# Altium PCB spin5v1_simple.PcbDoc (part 15 of 25)
Units mm, origin at the board's own origin, x right, y up, seen from the top; angles counter-clockwise.
Board outline 220.03 x 233.43 mm, 2 copper layers (TOP, BOTTOM), stack 0.176 mm thick; 1457 components, 4724 nets, 19245 pads, 25289 vias.
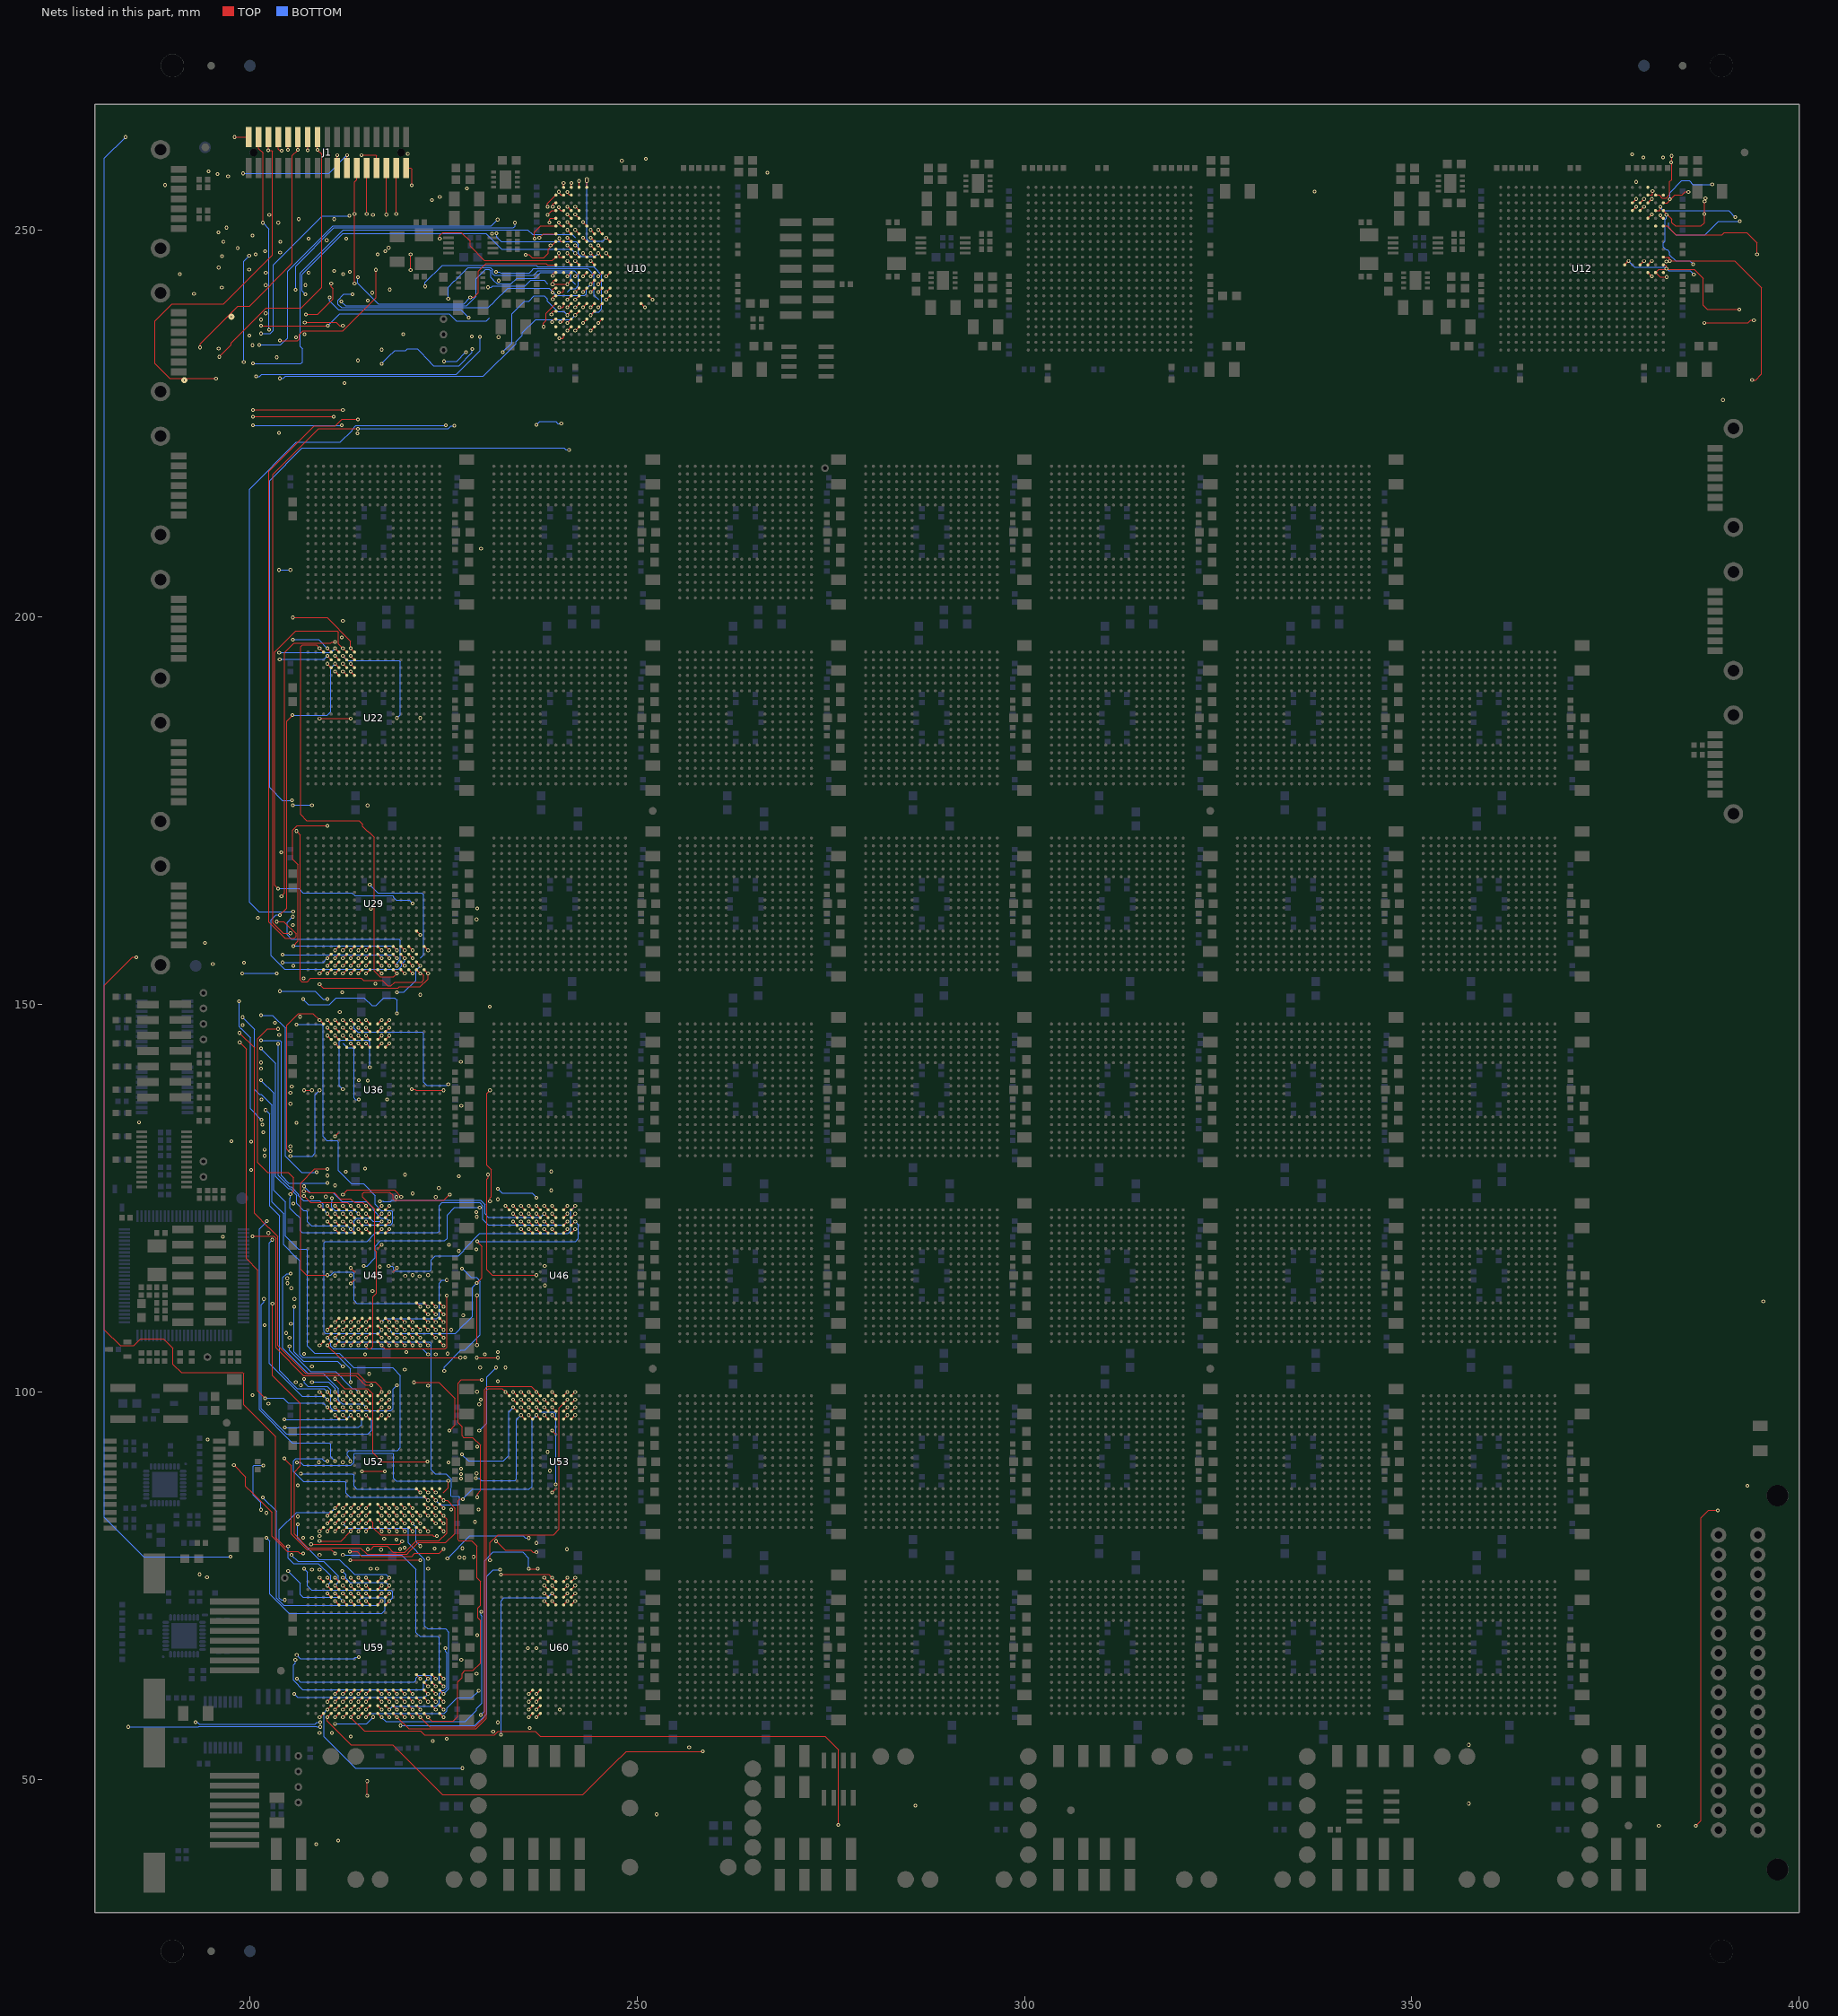
[diagram p15: the nets of this part, all layers, seen from the top]

## Via types
v1: diameter 0.48, hole 0.25, TOP to BOTTOM, 22348 vias
v2: diameter 0.61, hole 0.3, TOP to BOTTOM, 2059 vias
v3: diameter 0.8, hole 0, TOP to BOTTOM, 882 vias

## Nets (pads, with @x,y where several pads share a name; then routed paths per layer and width w, separated by ;. In a path a pad name is that pad's centre, name@x,y a point inside that pad or via, vN(x,y) a via of type N, cw(c..) or ccw(c..) an arc to the next point about the centre after c; other vN are vias at no path point) (continued)
S37_L5<8>: U12.K22 U60.R7 | length 27
  TOP w0.127: U12.K22@382.5,246.5 383.093,246.5 383.571,246.022 391.698,246.022 395.191,242.529 395.191,231.416 394.397,230.622 v1(393.961,230.622)
  other v1: 252.498,45.459 237,61 393.36,87.867 382.901,245.931 383.332,246
S37_L5<9>: U12.L17 U60.V6 | length 9.2
  BOTTOM w0.127: 378,246 378.807,245.193 382.718,245.193 383.161,244.75 385.949,244.75 v1(386.437,244.262)
  other v1: 236,58
S37_L5<10>: U12.L19 U60.U6
  other v1: 236,59 380,246
S37_L5<11>: U12.L20 U60.T6
  other v1: 285.91,46.6 357.369,46.847 357.369,54.441 236,60 381,246
S37_L5<12>: U12.L22 U60.R6
  other v1: 236.116,56.597 236,61 382.913,243.931 382.901,245 378,246
S37_L5<13>: U12.M20 U60.V7
  other v1: 237,58 381,244
S37_L5<14>: U12.M21 U60.U7 | length 15.1
  TOP w0.127: U12.M21@381.5,244.5 381.891,244.891 386.477,244.891 387.62,243.748 387.62,240.304 388.192,239.732 v1(392.301,239.732)
  other v1: 237,59
S37_L5<15>: U12.M22 U60.T7
  other v1: 256.708,54.125 237,60 390.2,228.049
S38_L0<0>: U59.R11 U60.D11
  other v1: 218,61 242,73
S38_L0<1>: U59.V10 U60.A10 | length 26.2
  BOTTOM w0.127: v1(217,58) 217.566,57.434 227.828,57.434 229.289,58.895 229.289,59.143 229.973,59.827 229.973,71.049 229.853,71.169 v1(229.853,71.6)
  other v1: 241,76
S38_L0<2>: U59.U10 U60.B10
  other v1: 217,59 240,59.001 241,75
S38_L0<3>: U59.T10 U60.C10
  other v1: 217,60 241,74
S38_L0<4>: U59.R10 U60.D10
  other v1: 217,61 241,73
S38_L0<5>: U59.V11 U60.A11
  other v1: 232,57.335 218,58 242,76
S38_L0<6>: U59.U11 U60.B11 | length 14.5
  BOTTOM w0.127: 218,59 218.431,59.431 224.05,59.431 224.431,59.812 224.431,61.05 224.812,61.431 225.05,61.431 225.431,61.812 225.431,66.309 225.24,66.5 v1(225.24,66.931)
  other v1: 235.901,66.931 242,75
S38_L0<7>: U59.T11 U60.C11
  other v1: 218,60 242,74
S38_L0<8>: U59.R9 U60.D9
  other v1: 215,61 239,73
S38_L0<9>: U59.V8 U60.A8
  other v1: 214,58 238,76
S38_L0<10>: U59.U8 U60.B8
  other v1: 214,59 238,75
S38_L0<11>: U59.T8 U60.C8
  other v1: 231.4,56.135 214,60 237,66.931 238,74
S38_L0<12>: U59.R8 U60.D8
  other v1: 214,61 238,73
S38_L0<13>: U59.V9 U60.A9 | length 22.9
  TOP w0.127: v1(232.43,76.431) 238.569,76.431 v1(239,76)
  BOTTOM w0.127: v1(215,58) 215.505,58.505 225.114,58.505 225.432,58.823 225.432,59.159 226.766,60.493 228.635,60.493 v1(229.542,61.4)
S38_L0<14>: U59.U9 U60.B9
  other v1: 215,59 239,75
S38_L0<15>: U59.T9 U60.C9 | length 24.3
  BOTTOM w0.127: v1(232.431,55.735) 232.431,73.05 232.812,73.431 238.431,73.431 v1(239,74)
  other v1: 215,60
S38_L1<0>: U53.D7 U59.V16 | length 56.2
  TOP w0.127: v1(223,58) 223.496,57.504 226.229,57.504 226.801,58.076 226.801,62.544 227.399,63.142 227.399,63.65 227.78,64.031 228.82,64.031 229.773,64.984 229.773,70.468 229.422,70.819 229.422,72.117 229.758,72.453 229.758,75.508 229.296,75.97 229.296,80.085 228.597,80.784 226.959,80.784 226.859,80.884 226.859,85.955 227.05,86.146 v1(227.482,86.146)
  BOTTOM w0.127: v1(227.482,86.146) 228.767,87.431 236.05,87.431 236.431,87.812 236.431,96.431 v1(237,97)
S38_L1<1>: U53.A6 U59.V14
  other v1: 221,58 227.055,78.638 236,100 232,101.37
S38_L1<2>: U53.B6 U59.U14
  other v1: 221,59 227.455,79.799 229.611,98.4 236,99
S38_L1<3>: U53.C6 U59.T14
  other v1: 221,60 236,98
S38_L1<4>: U53.D6 U59.R14
  other v1: 221,61 229.265,63.6 236,97
S38_L1<5>: U53.A7 U59.V15 | length 58.8
  TOP w0.127: v1(222,58) 223.216,56.784 229.089,56.784 230.296,57.991 230.296,100.304 230.677,100.685 236.315,100.685 v1(237,100)
S38_L1<6>: U53.B7 U59.U15 | length 29.1
  TOP w0.127: v1(236,77.158) v1(237.164,77.158)
  BOTTOM w0.127: v1(229.792,58.292) 230.284,58.784 230.284,78.18 231.427,79.323 235.206,79.323 236,78.529 v1(236,77.158)
  other v1: 222,59 237,99
S38_L1<7>: U53.C7 U59.T15 | length 11.9
  BOTTOM w0.127: v1(237,98) 237.569,97.431 239.233,97.431 239.487,97.177 v1(239.487,88.067)
  other v1: 222,60 239,87 239,95
S38_L1<8>: U53.D5 U59.R13 | length 13.9
  BOTTOM w0.127: v1(229.167,88.865) 229.598,88.865 229.894,88.569 234.232,88.569 234.431,88.768 234.431,96.431 v1(235,97)
  other v1: 220,61
S38_L1<9>: U53.A3 U59.V12 | length 57.8
  TOP w0.127: v1(219,58) 220.496,56.504 229.216,56.504 230.55,57.838 230.55,100.177 230.804,100.431 232.569,100.431 v1(233,100)
S38_L1<10>: U53.A4 U59.U12 | length 31.6
  BOTTOM w0.127: v1(219.431,56.935) 229.045,56.935 230.569,58.459 230.569,76.212 231.395,77.038 v1(232.285,77.038)
  other v1: 219,59 234,100
S38_L1<11>: U53.B4 U59.T12
  other v1: 219,60 229.334,68.6 234,99
S38_L1<12>: U53.C4 U59.R12 | length 13.1
  BOTTOM w0.127: v1(227.366,91.917) 228.197,91.086 232.732,91.086 233.431,91.785 233.431,97.431 v1(234,98)
  other v1: 219,61
S38_L1<13>: U53.A5 U59.V13
  other v1: 220,58 235,100
S38_L1<14>: U53.B5 U59.U13
  other v1: 220,59 228.865,78.707 235,99
S38_L1<15>: U53.C5 U59.T13
  other v1: 220,60 227.3,65.409 235,98
S38_L2<0>: U52.R5 U59.R16 | length 35.6
  BOTTOM w0.127: v1(204.511,73.147) 204.063,73.147 203.809,73.401 203.809,82.208 206.032,84.431 210.431,84.431 v1(211,85) ; v1(205.74,61) 206.172,60.568 222.568,60.568 v1(223,61)
S38_L2<1>: U52.V3 U59.N15
  other v1: 222,63 209,82 208.901,90.931
S38_L2<2>: U52.V4 U59.N16 | length 21.6
  BOTTOM w0.127: v1(205.865,65.419) 205.865,64.988 205.606,64.729 205.606,62.778 206.815,61.569 222.232,61.569 222.431,61.768 222.431,62.431 v1(223,63)
  other v1: 209,78.944 210,82
S38_L2<3>: U52.U4 U59.N17
  other v1: 224,63 210,83
S38_L2<4>: U52.T4 U59.N18
  other v1: 213,55.53 225,63 210,84
S38_L2<5>: U52.V5 U59.P16
  other v1: 223,62 211,82
S38_L2<6>: U52.U5 U59.P17 | length 19.6
  BOTTOM w0.127: v1(206.075,63) 206.506,62.569 221.232,62.569 221.431,62.768 221.431,63.05 221.812,63.431 223.232,63.431 223.431,63.232 223.431,62.569 v1(224,62)
  other v1: 211,83
S38_L2<7>: U52.T5 U59.P18 | length 28.1
  BOTTOM w0.127: v1(212,78.944) 219.589,78.944 221.431,77.102 221.431,68.939 221.939,68.431 224.232,68.431 224.431,68.232 224.431,62.569 v1(225,62)
  other v1: 211,84
S38_L2<8>: U52.R7 U59.V18 | length 5.3
  BOTTOM w0.127: v1(210.999,57.152) 215.046,57.152 v1(215.931,58.037)
  other v1: 225,58 213,85
S38_L2<9>: U52.V6 U59.R17
  other v1: 224,61 212,82
S38_L2<10>: U52.U6 U59.R18 | length 33.8
  BOTTOM w0.127: v1(212,83) 212.569,82.431 220.232,82.431 220.431,82.232 220.431,80.521 222.569,78.383 222.569,69.812 222.95,69.431 225.24,69.431 225.685,68.986 225.685,61.685 v1(225,61)
  other v1: 218,59
S38_L2<11>: U52.T6 U59.T16 | length 9
  TOP w0.127: v1(212.956,78.274) v1(222,78.274)
  other v1: 223,60 212,84
S38_L2<12>: U52.R6 U59.T17
  other v1: 223.6,54.93 224,60 209,77.062 212,85
S38_L2<13>: U52.V7 U59.T18 | length 4.5
  TOP w0.127: v1(209,80.754) 211.754,80.754 v1(213,82)
  other v1: 225.4,55.203 225,60
S38_L2<14>: U52.U7 U59.U17
  other v1: 210.599,55.985 224,59 213,83
S38_L2<15>: U52.T7 U59.U18
  other v1: 225,59 213,84
S38_L3<0>: U10.F2 U59.D11 | length 15.1
  BOTTOM w0.127: v1(207,77.158) 207.431,76.727 207.431,74.939 207.939,74.431 218.178,74.431 218.432,74.177 218.432,73.432 v1(218,73)
  other v1: 194.18,157.94 195.929,249.689 239.901,250.966
S38_L3<1>: U10.F3 U59.A10
  other v1: 217,76 193.5,76.442 194.542,93.846 241,251 197.187,256.909
S38_L3<2>: U10.F5 U59.B10 | length 2
  TOP w0.127: v1(220.75,244.822) v1(220.75,246.867)
  other v1: 217,75 243,251
S38_L3<3>: U10.G1 U59.C10
  other v1: 217,74 212,90.931 205.119,106.997 201.937,247.267 237.362,249
S38_L3<4>: U10.G3 U59.D10 | length 70.4
  BOTTOM w0.127: v1(201.205,235.17) 203.982,235.17 204.871,236.059 204.871,244.697 210.713,250.539 231.179,250.539 v1(231.975,251.335) ; v1(201.662,86.373) 203.428,84.607 203.428,73.387 204.381,72.434 216.434,72.434 v1(217,73)
  other v1: 241,250
S38_L3<5>: U10.G4 U59.A11 | length 15.7
  BOTTOM w0.127: v1(206.167,82.918) 206.167,81.145 208.961,78.351 211.538,78.351 212.342,77.547 212.381,77.547 213.497,76.431 217.569,76.431 v1(218,76)
  other v1: 242,250 194.667,257.554
S38_L3<6>: U10.G6 U59.B11 | length 31.9
  BOTTOM w0.127: v1(184.28,56.752) 193.362,56.752 193.406,56.796 208.593,56.796 208.637,56.752 v1(209.068,56.752) ; v1(211.931,76.862) 212.431,76.362 212.431,75.939 212.939,75.431 217.569,75.431 v1(218,75)
  other v1: 244,250 189.043,255.8 195.813,257.228 248.021,258.927
S38_L3<7>: U10.G7 U59.C11
  other v1: 209,55.985 218,74 209,81.393 199.043,147.361 199.223,155.422 245,250 206.312,251.386
S38_L3<8>: U10.H1 U59.D9 | length 34
  BOTTOM w0.127: v1(205.912,242.282) 205.912,245.332 210.865,250.285 234.028,250.285 234.227,250.484 v1(234.227,250.935)
  other v1: 215,73 208,77.062 235.619,246.8 238.825,248
S38_L3<9>: U10.H2 U59.A8
  other v1: 214,76 200.145,128.64 200.324,235.115 239.931,248.901 200.324,249.289
S38_L3<10>: U10.H3 U59.B8
  other v1: 214,75 201.896,131.278 195.202,155.222 196.392,246.6 241,249 231.242,249.517
S38_L3<11>: U10.H4 U59.C8 | length 56.4
  BOTTOM w0.127: v1(200.404,232.762) 200.835,232.762 200.875,232.722 206.579,232.722 206.778,232.921 206.778,234.641 206.479,234.94 206.479,244.443 212.067,250.031 235.881,250.031 236.48,249.432 241.568,249.432 242,249
  other v1: 214,74
S38_L3<12>: U10.H5 U59.D8 | length 28.6
  BOTTOM w0.127: v1(202.142,81.154) 202.573,80.723 202.573,79.456 202.566,79.449 202.566,73.888 205.043,71.411 206.24,71.411 206.26,71.431 217.05,71.431 217.431,71.812 217.431,73.232 217.232,73.431 214.431,73.431 v1(214,73)
  other v1: 190.94,244.282 243,249
S38_L3<13>: U10.H6 U59.A9 | length 82.7
  BOTTOM w0.127: v1(199.204,232.943) 199.204,245.968 v1(199.903,246.667) ; v1(201.434,140.219) 203.089,138.564 203.089,126.012 204.598,124.503 204.598,120.082 206.249,118.431 207.232,118.431 207.431,118.232 207.431,105.926 208.384,104.973 211.539,104.973 213.254,103.258 213.254,103.247 213.381,103.12 218.415,103.12 219.431,102.104 219.431,92.812 219.05,92.431 212.822,92.431 212.568,92.177 212.568,91.784 212.886,91.466 212.95,91.466 v1(212.95,91.035)
  other v1: 215,76 244,249
S38_L3<14>: U10.H8 U59.B9 | length 10.5
  BOTTOM w0.127: v1(243.505,256.562) 243.505,248.823 243.759,248.569 245.569,248.569 246,249
  other v1: 215,75
S38_L3<15>: U10.J1 U59.C9 | length 11.9
  TOP w0.127: v1(207.9,80.323) 219.276,80.323 v1(219.653,80.7)
  other v1: 215,74 205.919,101.262 203.902,247.067 217.903,247.685
S38_L4<0>: J1.19 U10.A2 U59.D7 | length 35.1
  TOP w0.127: v1(196.032,233.623) 197.607,235.198 197.607,235.405 202.116,239.914 206.624,239.914 209.291,242.581 209.291,259.771 v1(208.73,260.332)
  other v1: 213,73 206.875,81.154
S38_L4<1>: J1.21 U10.A3 U59.A6 | length 38.2
  BOTTOM w0.127: v1(202.206,122.033) 201.225,121.052 201.225,97.686 205.48,93.431 210.232,93.431 210.431,93.232 210.431,91.638 v1(211,91.069)
  other v1: 212,76 202.04,239.229 207.46,260.274
S38_L4<2>: J1.23 U10.A4 U59.B6 | length 48.4
  TOP w0.127: v1(193.57,234.836) 193.57,235.278 198.46,240.168 199.956,240.168 205.481,245.693 205.481,259.623 v1(206.19,260.332) ; v1(204.428,91.397) 205.362,90.463 205.362,81.661 207.394,79.629 210.515,79.629 v1(211,79.144)
  other v1: 212,75 201.896,130.471 242.5,256.317
  other v3: 197.59,238.788
S38_L4<3>: J1.25 U10.A5 U59.C6
  other v1: 212,74 196.507,120.04 246,249 243.5,256.317 204.92,260.332
S38_L4<4>: J1.27 U10.B1 U59.D6 | length 11.6
  TOP w0.127: J1.27@203.65,262 203.65,260.452 203.89,260.212 v1(204.08,260.212)
  BOTTOM w0.127: v1(204.931,76.867) 206.508,75.29 206.508,73.823 206.826,73.505 211.495,73.505 v1(212,73)
  other v1: 194.459,76.067 238.434,252.998
S38_L4<5>: J1.29 U10.B2 U59.A7 | length 46.9
  TOP w0.127: v1(195.617,230.825) 189.66,230.825 187.755,232.73 187.755,238.263 189.914,240.422 196.591,240.422 202.941,246.772 202.941,260.147 202.814,260.274 v1(202.38,260.274)
  other v1: 213,76 239.901,254.931
  other v3: 191.517,230.608
S38_L4<6>: J1.31 U10.B3 U59.B7 | length 14.1
  BOTTOM w0.127: v1(201.671,250.935) 202.471,250.135 v1(202.471,237.119)
  other v1: 213,75 202.384,98.465 202.384,120.517 241,254.901
S38_L4<7>: J1.33 U10.C1 U59.C7 | length 197.7
  BOTTOM w0.127: v1(183.948,262) 181.202,259.254 181.202,83.812 186.282,78.732 v1(197.489,78.732)
  other v1: 213,74 239.099,252.998 240.5,256.067 241.5,256.067 198.015,262
S38_L4<8>: J1.16 U10.D1 U59.D5
  other v1: 211,73 206.167,83.913 206.167,87.931 238.434,251.935 238.434,251.931 211.27,259.667
S38_L4<9>: J1.14 U10.D2 U59.A3 | length 14.4
  BOTTOM w0.127: v1(199.103,257.309) 210.182,257.309 v1(212.54,259.667)
  other v1: 209,76 205.229,131.685 205.229,137.188 239.901,252.931 228,255.365
S38_L4<10>: J1.12 U10.D3 U59.A4 | length 9
  TOP w0.127: v1(213.504,243.1) v1(213.504,252.067)
  other v1: 210,76 201.434,141.72 241,253 224.514,254.265
S38_L4<11>: J1.10 U10.D4 U59.B4 | length 106.7
  TOP w0.127: v1(185.33,156.102) 184.843,156.102 181.223,152.482 181.223,108.023 183.255,105.991 183.286,105.991 183.318,105.959 184.996,105.959 185.905,106.868 188.852,106.868 190.059,105.661 190.059,103.576 191.139,102.496 199.061,102.496 199.188,102.369 199.188,98.361 200.014,97.535 200.033,97.535 203.335,94.233 203.335,81.203 204.478,80.06 v1(204.931,80.06)
  BOTTOM w0.127: v1(204.931,80.06) 204.931,78.542 205.63,77.843 208.844,77.843 210.432,76.255 210.432,75.432 v1(210,75)
  other v1: 215.08,252.067 242,253 223.497,253.865
S38_L4<12>: J1.8 U10.E1 U59.C4 | length 19.8
  TOP w0.127: v1(197.926,90.557) 199.453,89.03 199.453,87.812 200.279,86.986 200.287,86.986 202.827,84.446 202.827,81.344 204.796,79.375 206.213,79.375 206.444,79.144 v1(206.875,79.144) ; v1(214.41,259.667) 216.25,259.667 216.35,259.567 J1.8@216.35,258
  other v1: 210,74 238.689,250.966
S38_L4<13>: J1.6 U10.E3 U59.A5
  other v1: 211,76 200.317,99.6 196.991,250.289 217.62,251.968 241,252
S38_L4<14>: J1.4 U10.E4 U59.B5 | length 8.6
  BOTTOM w0.127: v1(205.362,78.944) 206.209,78.097 209.527,78.097 211.432,76.192 211.432,75.432 v1(211,75)
  other v1: 185.7,134.811 242,252 218.89,252.07
S38_L4<15>: J1.2 U10.F1 U59.C5
  other v1: 211,74 208,81.154 212.022,244.3 236.755,248.866 220.897,255.777
S38_L5<0>: U12.A20 U59.R5
  other v1: 211,61
S38_L5<1>: U12.B20 U59.V3 | length 6.5
  TOP w0.127: v1(387.8,238.008) 393.428,238.008 393.76,238.34 v1(394.191,238.34)
  other v1: 209,58 381.099,254.998
S38_L5<2>: U12.B21 U59.V4 | length 55.2
  TOP w0.127: v1(210,58) 210,57.513 213.048,54.465 218.411,54.465 221.015,51.861 221.015,51.857 224.889,47.983 242.999,47.983 247,51.984 247,52.001 248.588,53.589 v1(258.462,53.589)
  other v1: 383.493,258.737 383.566,259.567
S38_L5<3>: U12.B22 U59.U4 | length 23.2
  BOTTOM w0.127: v1(210,59) 209.568,58.568 209.568,55.495 213.632,51.431 v1(227.442,51.431)
S38_L5<4>: U12.C18 U59.T4 | length 23.4
  BOTTOM w0.127: v1(193,57.359) 193.25,57.359 193.495,57.114 208.392,57.114 208.637,57.359 v1(209.068,57.359) ; v1(383.335,253.965) 383.335,254.834 384.859,256.358 385.824,256.358 386.313,255.869 v1(388.8,255.869)
  other v1: 210,60 379,254
S38_L5<5>: U12.C19 U59.V5
  other v1: 211,58 204.829,114.662 380,254 337.486,254.965 266.8,257.372 220.392,259.83
S38_L5<6>: U12.C20 U59.U5
  other v1: 211.4,42.09 211,59 381,254
S38_L5<7>: U12.C22 U59.T5
  other v1: 208.55,41.606 211,60 385.737,254.901
S38_L5<8>: U12.D18 U59.R7 | length 15.6
  BOTTOM w0.127: v1(201.43,84.782) 201.43,85.688 200.449,86.669 200.449,90.396 200.549,90.496 v1(201.737,90.496) ; v1(206.039,66.03) 206.5,65.569 213.463,65.569 213.636,65.742 v1(214.067,65.742)
  other v1: 213,61 379,253
S38_L5<9>: U12.D19 U59.V6
  other v1: 212,58 380,253 379,256.197 378.465,259.774
S38_L5<10>: U12.D21 U59.U6 | length 10.2
  BOTTOM w0.127: v1@382.067,252.901 382.472,252.496 390.935,252.496 v1(391.779,251.652)
  other v1: 212,59 382.099,253
S38_L5<11>: U12.D22 U59.T6 | length 51.9
  TOP w0.127: v1(386.687,43.974) 387.372,44.659 387.372,83.761 388.325,84.714 v1(389.532,84.714)
  BOTTOM w0.127: v1(382.906,251.936) 382.906,251.505 382.736,251.335 382.736,248.564 382.47,248.298 382.47,247.812 382.851,247.431 383.014,247.431 383.332,247.113 383.332,246.784 384.094,246.022 385.899,246.022 v1(386.345,245.576)
  other v1: 212,60 387.801,252.052 387.829,253.673 387.942,254.1
S38_L5<12>: U12.E20 U59.R6
  other v1: 212,61 202.137,84.382 202.51,251.935 381,252 379.933,259.344 382.465,259.344
S38_L5<13>: U12.E22 U59.V7 | length 74.8
  TOP w0.127: v1(213,58) 214.785,56.215 222.03,56.215 222.541,55.704 231.6,55.704 232.062,56.166 236.857,56.166 237.504,55.519 274.262,55.519 275.977,53.804 v1(275.977,44.107)
  other v1: 381.913,44 382.099,251.901
S38_L5<14>: U12.F21 U59.U7 | length 11
  BOTTOM w0.127: 383.167,250.935 383.167,250.322 384.12,249.369 387.862,249.369 389.618,251.125 v1(392.385,251.125)
  other v1: 213,59
S38_L5<15>: U12.F22 U59.T7 | length 16.6
  TOP w0.127: v1(215.14,47.857) v1(215.14,49.75) ; U12.F22@382.5,250.5 383.002,250.5 383.399,250.103 383.399,250.068 384.098,249.369 390.075,249.369 390.388,249.682 393.257,249.682 394.591,248.348 v1(394.591,246.854)
  other v1: 213,60 395.416,111.665
S39_L0<0>: U52.R11 U53.D11
  other v1: 218,85 238.455,92.258 242,97
S39_L0<1>: U52.V10 U53.A10
  other v1: 227.662,78.582 217,82 229.811,99.007 241,100
S39_L0<2>: U52.U10 U53.B10 | length 28.4
  TOP w0.127: v1(231,78.255) 231,80.553 232.016,81.569 239.219,81.569 239.918,82.268 239.918,97.918 U53.B10@240.5,98.5
  other v1: 216.928,79.638 217,83 241,99
S39_L0<3>: U52.T10 U53.C10
  other v1: 217,84 241,98
S39_L0<4>: U52.R10 U53.D10
  other v1: 217,85 241,97
S39_L0<5>: U52.V11 U53.A11
  other v1: 218,82 242,100
S39_L0<6>: U52.U11 U53.B11
  other v1: 218,83 229.519,84.808 242,99
S39_L0<7>: U52.T11 U53.C11
  other v1: 218,84 242,98
S39_L0<8>: U52.R9 U53.D9
  other v1: 216.401,77.158 240.917,79.692 215,85 239,97
S39_L0<9>: U52.V8 U53.A8
  other v1: 214,82
S39_L0<10>: U52.U8 U53.B8 | length 2.9
  TOP w0.127: v1(214.466,89.742) v1(217.4,89.742)
  other v1: 214,83 229.254,89.472 238,99
S39_L0<11>: U52.T8 U53.C8
  other v1: 214,84 238,98
S39_L0<12>: U52.R8 U53.D8 | length 5.8
  TOP w0.127: v1(231.8,80.739) 232.962,79.577 236.284,79.577 236.569,79.292 v1(237,79.292)
  other v1: 219.368,79.726 214,85 238,97
S39_L0<13>: U52.V9 U53.A9
  other v1: 219.975,79.9 237,80.499 215,82 239,100
S39_L0<14>: U52.U9 U53.B9 | length 9.9
  TOP w0.127: U52.U9@215.5,83.5 215.891,83.109 215.891,82.483 216.844,81.53 223.568,81.53 223.708,81.39 v1(224.139,81.39)
  other v1: 215,83 238.737,89.828 225.658,90.883 239,99
S39_L0<15>: U52.T9 U53.C9
  other v1: 215,84 239,98
S39_L1<0>: U46.D7 U52.V16 | length 16.8
  BOTTOM w0.127: v1(225.094,102.721) 225.094,103.214 227.253,105.373 227.779,105.373 229.748,107.342 229.748,114.246 229.24,114.754 228.548,114.754 v1(227.385,115.917)
  other v1: 223,82 223,100.807 237,121
S39_L1<1>: U46.A6 U52.V14
  other v1: 221,82 236,124
S39_L1<2>: U46.B6 U52.U14 | length 3.3
  BOTTOM w0.127: v1(221,83) 221.431,82.569 221.431,80.668 v1(222,80.099)
  other v1: 236,123
S39_L1<3>: U46.C6 U52.T14 | length 11.8
  BOTTOM w0.127: v1(225.495,78.5) 228.405,81.41 235.297,81.41 235.569,81.138 v1(236,81.138)
  other v1: 221,84 236,122
S39_L1<4>: U46.D6 U52.R14
  other v1: 221,85 227.252,89.4 229.213,118.4 236,121
S39_L1<5>: U46.A7 U52.V15 | length 25.5
  TOP w0.127: v1(229.351,86.4) 229.351,86.831 229.773,87.253 229.773,93.104 228.757,94.12 227.598,94.12 227.399,94.319 227.399,95.492 226.859,96.032 226.859,101.125 227.304,101.57 v1(229.924,101.57)
  BOTTOM w0.127: v1(232,126.222) 232.575,125.647 236.432,125.647 v1(237,125.079)
  other v1: 222,82 237,124
S39_L1<6>: U46.B7 U52.U15
  other v1: 222,83 227.252,88.793 229.327,100.007 237,123 229.235,123.207
S39_L1<7>: U46.C7 U52.T15
  other v1: 222,84 237,122
S39_L1<8>: U46.D5 U52.R13
  other v1: 220,85 235,121
S39_L1<9>: U46.A3 U52.V12
  other v1: 219,82 230.342,104.843 233,124
S39_L1<10>: U46.A4 U52.U12
  other v1: 219,83 229.727,103.139 233,103.139 234,124
S39_L1<11>: U46.B4 U52.T12 | length 9
  BOTTOM w0.127: v1(229.611,95) 230.569,95.958 230.569,101.908 v1(231.8,103.139)

## Text inside footprints (layer, text, board x,y; h text height)
U11: PIN_NUMBER "B14" at 312.54,254.75 h0.8; PIN_NUMBER "A14" at 312.54,255.75 h0.8; PIN_NUMBER "D13" at 311.54,252.75 h0.8; PIN_NUMBER "C13" at 311.54,253.75 h0.8; PIN_NUMBER "C3" at 301.86,253.75 h0.8; PIN_NUMBER "Y19" at 317.54,236.75 h0.8; PIN_NUMBER "AA21" at 319.22,235.75 h0.8; PIN_NUMBER "Y4" at 302.86,236.75 h0.8; PIN_NUMBER "F17" at 315.54,250.75 h0.8; PIN_NUMBER "V6" at 304.86,238.75 h0.8; PIN_NUMBER "R6" at 304.86,241.75 h0.8; PIN_NUMBER "R10" at 308.54,241.75 h0.8; PIN_NUMBER "R12" at 310.54,241.75 h0.8; PIN_NUMBER "M15" at 313.54,244.75 h0.8; PIN_NUMBER "L8" at 306.86,245.75 h0.8; PIN_NUMBER "K15" at 313.54,246.75 h0.8; PIN_NUMBER "H9" at 307.86,248.75 h0.8; PIN_NUMBER "G12" at 310.54,249.75 h0.8; PIN_NUMBER "H15" at 313.54,248.75 h0.8; PIN_NUMBER "F11" at 309.54,250.75 h0.8; PIN_NUMBER "N8" at 306.86,243.75 h0.8; PIN_NUMBER "B13" at 311.54,254.75 h0.8; PIN_NUMBER "E13" at 311.54,251.75 h0.8; PIN_NUMBER "D14" at 312.54,252.75 h0.8; PIN_NUMBER "E8" at 306.86,251.75 h0.8; PIN_NUMBER "D8" at 306.86,252.75 h0.8; PIN_NUMBER "D12" at 310.54,252.75 h0.8; PIN_NUMBER "A7" at 305.86,255.75 h0.8; PIN_NUMBER "B9" at 307.86,254.75 h0.8; PIN_NUMBER "C10" at 308.54,253.75 h0.8; PIN_NUMBER "A15" at 313.54,255.75 h0.8; PIN_NUMBER "E10" at 308.54,251.75 h0.8; PIN_NUMBER "E18" at 316.54,251.75 h0.8; PIN_NUMBER "D15" at 313.54,252.75 h0.8; PIN_NUMBER "C15" at 313.54,253.75 h0.8; PIN_NUMBER "B16" at 314.54,254.75 h0.8; PIN_NUMBER "A16" at 314.54,255.75 h0.8; PIN_NUMBER "AA3" at 301.54,235.75 h0.8; PIN_NUMBER "AB20" at 318.22,234.75 h0.8; PIN_NUMBER "B8" at 306.86,254.75 h0.8; PIN_NUMBER "A8" at 306.86,255.75 h0.8; PIN_NUMBER "D9" at 307.86,252.75 h0.8; PIN_NUMBER "C9" at 307.86,253.75 h0.8; PIN_NUMBER "B6" at 304.86,254.75 h0.8; PIN_NUMBER "A6" at 304.86,255.75 h0.8; PIN_NUMBER "D7" at 305.86,252.75 h0.8; PIN_NUMBER "C7" at 305.86,253.75 h0.8; PIN_NUMBER "A10" at 308.54,255.75 h0.8; PIN_NUMBER "A12" at 310.54,255.75 h0.8; PIN_NUMBER "B10" at 308.54,254.75 h0.8; PIN_NUMBER "B12" at 310.54,254.75 h0.8; PIN_NUMBER "E9" at 307.86,251.75 h0.8; PIN_NUMBER "D11" at 309.54,252.75 h0.8; PIN_NUMBER "F12" at 310.54,250.75 h0.8; PIN_NUMBER "C11" at 309.54,253.75 h0.8; PIN_NUMBER "E12" at 310.54,251.75 h0.8; PIN_NUMBER "D5" at 303.86,252.75 h0.8; PIN_NUMBER "F9" at 307.86,250.75 h0.8; PIN_NUMBER "G8" at 306.86,249.75 h0.8; PIN_NUMBER "H11" at 309.54,248.75 h0.8; PIN_NUMBER "H10" at 308.54,248.75 h0.8; PIN_NUMBER "F10" at 308.54,250.75 h0.8; PIN_NUMBER "G9" at 307.86,249.75 h0.8; PIN_NUMBER "G11" at 309.54,249.75 h0.8; PIN_NUMBER "H12" at 310.54,248.75 h0.8; PIN_NUMBER "F15" at 313.54,250.75 h0.8; PIN_NUMBER "F14" at 312.54,250.75 h0.8; PIN_NUMBER "F16" at 314.54,250.75 h0.8; PIN_NUMBER "E16" at 314.54,251.75 h0.8; PIN_NUMBER "G13" at 311.54,249.75 h0.8; PIN_NUMBER "H13" at 311.54,248.75 h0.8; PIN_NUMBER "G15" at 313.54,249.75 h0.8; PIN_NUMBER "H14" at 312.54,248.75 h0.8; PIN_NUMBER "E6" at 304.86,251.75 h0.8; PIN_NUMBER "E5" at 303.86,251.75 h0.8; PIN_NUMBER "C17" at 315.54,253.75 h0.8; PIN_NUMBER "A18" at 316.54,255.75 h0.8; PIN_NUMBER "A19" at 317.54,255.75 h0.8; PIN_NUMBER "D17" at 315.54,252.75 h0.8; PIN_NUMBER "C4" at 302.86,253.75 h0.8; PIN_NUMBER "F8" at 306.86,250.75 h0.8; PIN_NUMBER "F7" at 305.86,250.75 h0.8; PIN_NUMBER "C5" at 303.86,253.75 h0.8; PIN_NUMBER "V20" at 318.54,238.75 h0.8; PIN_NUMBER "V18" at 316.54,238.75 h0.8; PIN_NUMBER "U17" at 315.54,239.75 h0.8; PIN_NUMBER "P15" at 313.54,242.75 h0.8; PIN_NUMBER "T16" at 314.54,240.75 h0.8; PIN_NUMBER "AB2" at 300.54,234.75 h0.8; PIN_NUMBER "G16" at 314.54,249.75 h0.8; PIN_NUMBER "AB21" at 319.22,234.75 h0.8; PIN_NUMBER "AA20" at 318.22,235.75 h0.8; PIN_NUMBER "Y20" at 318.54,236.75 h0.8; PIN_NUMBER "U18" at 316.54,239.75 h0.8; PIN_NUMBER "L16" at 314.54,245.75 h0.8; PIN_NUMBER "J18" at 316.54,247.75 h0.8; PIN_NUMBER "E19" at 317.54,251.75 h0.8; PIN_NUMBER "B4" at 302.86,254.75 h0.8; PIN_NUMBER "F6" at 304.86,250.75 h0.8; PIN_NUMBER "G10" at 308.54,249.75 h0.8; PIN_NUMBER "G14" at 312.54,249.75 h0.8; PIN_NUMBER "E17" at 315.54,251.75 h0.8; PIN_NUMBER "B18" at 316.54,254.75 h0.8; PIN_NUMBER "B19" at 317.54,254.75 h0.8; PIN_NUMBER "U5" at 303.86,239.75 h0.8; PIN_NUMBER "L7" at 305.86,245.75 h0.8; PIN_NUMBER "J5" at 303.86,247.75 h0.8; PIN_NUMBER "F4" at 302.86,250.75 h0.8; PIN_NUMBER "W5" at 303.86,237.75 h0.8; PIN_NUMBER "V8" at 306.86,238.75 h0.8; PIN_NUMBER "T9" at 307.86,240.75 h0.8; PIN_NUMBER "V12" at 310.54,238.75 h0.8; PIN_NUMBER "T13" at 311.54,240.75 h0.8; PIN_NUMBER "V16" at 314.54,238.75 h0.8; PIN_NUMBER "C21" at 319.54,253.75 h0.8; PIN_NUMBER "AA7" at 305.54,235.75 h0.8; PIN_NUMBER "W2" at 300.86,237.75 h0.8; PIN_NUMBER "C2" at 300.86,253.75 h0.8; PIN_NUMBER "G2" at 300.86,249.75 h0.8; PIN_NUMBER "AA11" at 309.22,235.75 h0.8; PIN_NUMBER "AA19" at 317.22,235.75 h0.8; PIN_NUMBER "W21" at 319.54,237.75 h0.8; PIN_NUMBER "L21" at 319.54,245.75 h0.8; PIN_NUMBER "G21" at 319.54,249.75 h0.8; PIN_NUMBER "R2" at 300.86,241.75 h0.8; PIN_NUMBER "L2" at 300.86,245.75 h0.8; PIN_NUMBER "AB3" at 301.54,234.75 h0.8; PIN_NUMBER "AA15" at 313.22,235.75 h0.8; PIN_NUMBER "R21" at 319.54,241.75 h0.8; PIN_NUMBER "N18" at 316.54,243.75 h0.8; PIN_NUMBER "N5" at 303.86,243.75 h0.8; PIN_NUMBER "J10" at 308.54,247.75 h0.8; PIN_NUMBER "J12" at 310.54,247.75 h0.8; PIN_NUMBER "J14" at 312.54,247.75 h0.8; PIN_NUMBER "J8" at 306.86,247.75 h0.8; PIN_NUMBER "K11" at 309.54,246.75 h0.8; PIN_NUMBER "K13" at 311.54,246.75 h0.8; PIN_NUMBER "K9" at 307.86,246.75 h0.8; PIN_NUMBER "L10" at 308.54,245.75 h0.8; PIN_NUMBER "L12" at 310.54,245.75 h0.8; PIN_NUMBER "L14" at 312.54,245.75 h0.8; PIN_NUMBER "M11" at 309.54,244.75 h0.8; PIN_NUMBER "M13" at 311.54,244.75 h0.8; PIN_NUMBER "M9" at 307.86,244.75 h0.8; PIN_NUMBER "P11" at 309.54,242.75 h0.8; PIN_NUMBER "P13" at 311.54,242.75 h0.8; PIN_NUMBER "P9" at 307.86,242.75 h0.8; PIN_NUMBER "R14" at 312.54,241.75 h0.8; PIN_NUMBER "N10" at 308.54,243.75 h0.8; PIN_NUMBER "N12" at 310.54,243.75 h0.8; PIN_NUMBER "N14" at 312.54,243.75 h0.8; PIN_NUMBER "D20" at 318.54,252.75 h0.8; PIN_NUMBER "G17" at 315.54,249.75 h0.8; PIN_NUMBER "A21" at 319.54,255.75 h0.8; PIN_NUMBER "AA2" at 300.54,235.75 h0.8; PIN_NUMBER "AA1" at 299.54,235.75 h0.8; PIN_NUMBER "Y8" at 306.86,236.75 h0.8; PIN_NUMBER "Y7" at 305.86,236.75 h0.8; PIN_NUMBER "Y6" at 304.86,236.75 h0.8; PIN_NUMBER "Y5" at 303.86,236.75 h0.8; PIN_NUMBER "Y3" at 301.86,236.75 h0.8; PIN_NUMBER "W8" at 306.86,237.75 h0.8; PIN_NUMBER "U8" at 306.86,239.75 h0.8; PIN_NUMBER "AB7" at 305.54,234.75 h0.8; PIN_NUMBER "AB6" at 304.54,234.75 h0.8; PIN_NUMBER "AB5" at 303.54,234.75 h0.8; PIN_NUMBER "AB4" at 302.54,234.75 h0.8; PIN_NUMBER "AA6" at 304.54,235.75 h0.8; PIN_NUMBER "AA4" at 302.54,235.75 h0.8; PIN_NUMBER "T8" at 306.86,240.75 h0.8; PIN_NUMBER "Y9" at 307.86,236.75 h0.8; PIN_NUMBER "W10" at 308.54,237.75 h0.8; PIN_NUMBER "W9" at 307.86,237.75 h0.8; PIN_NUMBER "V9" at 307.86,238.75 h0.8; PIN_NUMBER "U10" at 308.54,239.75 h0.8; PIN_NUMBER "U9" at 307.86,239.75 h0.8; PIN_NUMBER "T11" at 309.54,240.75 h0.8; PIN_NUMBER "T10" at 308.54,240.75 h0.8; PIN_NUMBER "R11" at 309.54,241.75 h0.8; PIN_NUMBER "AB10" at 308.22,234.75 h0.8; PIN_NUMBER "AB9" at 307.54,234.75 h0.8; PIN_NUMBER "AB8" at 306.54,234.75 h0.8; PIN_NUMBER "AA10" at 308.22,235.75 h0.8; PIN_NUMBER "AA8" at 306.54,235.75 h0.8; PIN_NUMBER "Y10" at 308.54,236.75 h0.8; PIN_NUMBER "R9" at 307.86,241.75 h0.8; PIN_NUMBER "Y11" at 309.54,236.75 h0.8; PIN_NUMBER "W13" at 311.54,237.75 h0.8; PIN_NUMBER "W12" at 310.54,237.75 h0.8; PIN_NUMBER "W11" at 309.54,237.75 h0.8; PIN_NUMBER "V13" at 311.54,238.75 h0.8; PIN_NUMBER "V11" at 309.54,238.75 h0.8; PIN_NUMBER "U13" at 311.54,239.75 h0.8; PIN_NUMBER "U12" at 310.54,239.75 h0.8; PIN_NUMBER "T12" at 310.54,240.75 h0.8; PIN_NUMBER "AB13" at 311.22,234.75 h0.8; PIN_NUMBER "AB12" at 310.22,234.75 h0.8; PIN_NUMBER "AB11" at 309.22,234.75 h0.8; PIN_NUMBER "AA12" at 310.22,235.75 h0.8; PIN_NUMBER "Y13" at 311.54,236.75 h0.8; PIN_NUMBER "Y12" at 310.54,236.75 h0.8; PIN_NUMBER "R13" at 311.54,241.75 h0.8; PIN_NUMBER "R8" at 306.86,241.75 h0.8; PIN_NUMBER "R7" at 305.86,241.75 h0.8; PIN_NUMBER "R4" at 302.86,241.75 h0.8; PIN_NUMBER "R3" at 301.86,241.75 h0.8; PIN_NUMBER "R1" at 299.86,241.75 h0.8; PIN_NUMBER "P8" at 306.86,242.75 h0.8; PIN_NUMBER "P7" at 305.86,242.75 h0.8; PIN_NUMBER "P6" at 304.86,242.75 h0.8; PIN_NUMBER "P5" at 303.86,242.75 h0.8; PIN_NUMBER "T6" at 304.86,240.75 h0.8; PIN_NUMBER "T5" at 303.86,240.75 h0.8; PIN_NUMBER "T4" at 302.86,240.75 h0.8; PIN_NUMBER "T3" at 301.86,240.75 h0.8; PIN_NUMBER "T2" at 300.86,240.75 h0.8; PIN_NUMBER "T1" at 299.86,240.75 h0.8; PIN_NUMBER "P4" at 302.86,242.75 h0.8; PIN_NUMBER "V7" at 305.86,238.75 h0.8; PIN_NUMBER "V5" at 303.86,238.75 h0.8; PIN_NUMBER "V3" at 301.86,238.75 h0.8; PIN_NUMBER "V2" at 300.86,238.75 h0.8; PIN_NUMBER "V1" at 299.86,238.75 h0.8; PIN_NUMBER "U6" at 304.86,239.75 h0.8; PIN_NUMBER "U4" at 302.86,239.75 h0.8; PIN_NUMBER "U3" at 301.86,239.75 h0.8; PIN_NUMBER "U1" at 299.86,239.75 h0.8; PIN_NUMBER "Y2" at 300.86,236.75 h0.8; PIN_NUMBER "Y1" at 299.86,236.75 h0.8; PIN_NUMBER "W6" at 304.86,237.75 h0.8; PIN_NUMBER "W4" at 302.86,237.75 h0.8; PIN_NUMBER "W3" at 301.86,237.75 h0.8; PIN_NUMBER "W1" at 299.86,237.75 h0.8; PIN_NUMBER "T7" at 305.86,240.75 h0.8; PIN_NUMBER "K6" at 304.86,246.75 h0.8; PIN_NUMBER "K5" at 303.86,246.75 h0.8; PIN_NUMBER "K4" at 302.86,246.75 h0.8; PIN_NUMBER "K3" at 301.86,246.75 h0.8; PIN_NUMBER "K2" at 300.86,246.75 h0.8; PIN_NUMBER "K1" at 299.86,246.75 h0.8; PIN_NUMBER "J7" at 305.86,247.75 h0.8; PIN_NUMBER "J6" at 304.86,247.75 h0.8; PIN_NUMBER "J4" at 302.86,247.75 h0.8; PIN_NUMBER "L6" at 304.86,245.75 h0.8; PIN_NUMBER "L4" at 302.86,245.75 h0.8; PIN_NUMBER "L3" at 301.86,245.75 h0.8; PIN_NUMBER "L1" at 299.86,245.75 h0.8; PIN_NUMBER "K8" at 306.86,246.75 h0.8; PIN_NUMBER "K7" at 305.86,246.75 h0.8; PIN_NUMBER "J3" at 301.86,247.75 h0.8; PIN_NUMBER "N3" at 301.86,243.75 h0.8; PIN_NUMBER "N1" at 299.86,243.75 h0.8; PIN_NUMBER "M8" at 306.86,244.75 h0.8; PIN_NUMBER "M7" at 305.86,244.75 h0.8; PIN_NUMBER "M6" at 304.86,244.75 h0.8; PIN_NUMBER "M5" at 303.86,244.75 h0.8; PIN_NUMBER "M4" at 302.86,244.75 h0.8; PIN_NUMBER "M3" at 301.86,244.75 h0.8; PIN_NUMBER "M2" at 300.86,244.75 h0.8; PIN_NUMBER "P3" at 301.86,242.75 h0.8; PIN_NUMBER "P2" at 300.86,242.75 h0.8; PIN_NUMBER "P1" at 299.86,242.75 h0.8; PIN_NUMBER "N7" at 305.86,243.75 h0.8; PIN_NUMBER "N6" at 304.86,243.75 h0.8; PIN_NUMBER "N4" at 302.86,243.75 h0.8; PIN_NUMBER "M1" at 299.86,244.75 h0.8; PIN_NUMBER "D2" at 300.86,252.75 h0.8; PIN_NUMBER "D1" at 299.86,252.75 h0.8; PIN_NUMBER "C1" at 299.86,253.75 h0.8; PIN_NUMBER "B3" at 301.86,254.75 h0.8; PIN_NUMBER "B2" at 300.86,254.75 h0.8; PIN_NUMBER "B1" at 299.86,254.75 h0.8; PIN_NUMBER "A5" at 303.86,255.75 h0.8; PIN_NUMBER "A4" at 302.86,255.75 h0.8; PIN_NUMBER "A3" at 301.86,255.75 h0.8; PIN_NUMBER "F1" at 299.86,250.75 h0.8; PIN_NUMBER "E4" at 302.86,251.75 h0.8; PIN_NUMBER "E3" at 301.86,251.75 h0.8; PIN_NUMBER "E1" at 299.86,251.75 h0.8; PIN_NUMBER "D4" at 302.86,252.75 h0.8; PIN_NUMBER "D3" at 301.86,252.75 h0.8; PIN_NUMBER "A2" at 300.86,255.75 h0.8; PIN_NUMBER "H2" at 300.86,248.75 h0.8; PIN_NUMBER "H1" at 299.86,248.75 h0.8; PIN_NUMBER "G7" at 305.86,249.75 h0.8; PIN_NUMBER "G6" at 304.86,249.75 h0.8; PIN_NUMBER "G4" at 302.86,249.75 h0.8; PIN_NUMBER "G3" at 301.86,249.75 h0.8; PIN_NUMBER "G1" at 299.86,249.75 h0.8; PIN_NUMBER "F5" at 303.86,250.75 h0.8; PIN_NUMBER "F3" at 301.86,250.75 h0.8; PIN_NUMBER "J1" at 299.86,247.75 h0.8; PIN_NUMBER "H8" at 306.86,248.75 h0.8; PIN_NUMBER "H6" at 304.86,248.75 h0.8; PIN_NUMBER "H5" at 303.86,248.75 h0.8; PIN_NUMBER "H4" at 302.86,248.75 h0.8; PIN_NUMBER "H3" at 301.86,248.75 h0.8; PIN_NUMBER "F2" at 300.86,250.75 h0.8; PIN_NUMBER "D19" at 317.54,252.75 h0.8; PIN_NUMBER "D18" at 316.54,252.75 h0.8; PIN_NUMBER "C22" at 320.54,253.75 h0.8; PIN_NUMBER "C20" at 318.54,253.75 h0.8; PIN_NUMBER "C19" at 317.54,253.75 h0.8; PIN_NUMBER "C18" at 316.54,253.75 h0.8; PIN_NUMBER "B22" at 320.54,254.75 h0.8; PIN_NUMBER "B21" at 319.54,254.75 h0.8; PIN_NUMBER "B20" at 318.54,254.75 h0.8; PIN_NUMBER "F22" at 320.54,250.75 h0.8; PIN_NUMBER "F21" at 319.54,250.75 h0.8; PIN_NUMBER "E22" at 320.54,251.75 h0.8; PIN_NUMBER "E20" at 318.54,251.75 h0.8; PIN_NUMBER "D22" at 320.54,252.75 h0.8; PIN_NUMBER "D21" at 319.54,252.75 h0.8; PIN_NUMBER "A20" at 318.54,255.75 h0.8; PIN_NUMBER "L17" at 315.54,245.75 h0.8; PIN_NUMBER "K22" at 320.54,246.75 h0.8; PIN_NUMBER "K21" at 319.54,246.75 h0.8; PIN_NUMBER "K20" at 318.54,246.75 h0.8; PIN_NUMBER "K19" at 317.54,246.75 h0.8; PIN_NUMBER "K18" at 316.54,246.75 h0.8; PIN_NUMBER "K17" at 315.54,246.75 h0.8; PIN_NUMBER "K16" at 314.54,246.75 h0.8; PIN_NUMBER "J17" at 315.54,247.75 h0.8; PIN_NUMBER "M22" at 320.54,244.75 h0.8; PIN_NUMBER "M21" at 319.54,244.75 h0.8; PIN_NUMBER "M20" at 318.54,244.75 h0.8; PIN_NUMBER "L22" at 320.54,245.75 h0.8; PIN_NUMBER "L20" at 318.54,245.75 h0.8; PIN_NUMBER "L19" at 317.54,245.75 h0.8; PIN_NUMBER "J16" at 314.54,247.75 h0.8; PIN_NUMBER "H19" at 317.54,248.75 h0.8; PIN_NUMBER "H18" at 316.54,248.75 h0.8; PIN_NUMBER "H17" at 315.54,248.75 h0.8; PIN_NUMBER "H16" at 314.54,248.75 h0.8; PIN_NUMBER "G22" at 320.54,249.75 h0.8; PIN_NUMBER "G20" at 318.54,249.75 h0.8; PIN_NUMBER "G19" at 317.54,249.75 h0.8; PIN_NUMBER "F20" at 318.54,250.75 h0.8; PIN_NUMBER "F19" at 317.54,250.75 h0.8; PIN_NUMBER "J22" at 320.54,247.75 h0.8; PIN_NUMBER "J20" at 318.54,247.75 h0.8; PIN_NUMBER "J19" at 317.54,247.75 h0.8; PIN_NUMBER "H22" at 320.54,248.75 h0.8; PIN_NUMBER "H21" at 319.54,248.75 h0.8; PIN_NUMBER "H20" at 318.54,248.75 h0.8; PIN_NUMBER "F18" at 316.54,250.75 h0.8; PIN_NUMBER "W18" at 316.54,237.75 h0.8; PIN_NUMBER "V22" at 320.54,238.75 h0.8; PIN_NUMBER "V21" at 319.54,238.75 h0.8; PIN_NUMBER "V19" at 317.54,238.75 h0.8; PIN_NUMBER "U19" at 317.54,239.75 h0.8; PIN_NUMBER "T19" at 317.54,240.75 h0.8; PIN_NUMBER "T18" at 316.54,240.75 h0.8; PIN_NUMBER "R19" at 317.54,241.75 h0.8; PIN_NUMBER "P19" at 317.54,242.75 h0.8; PIN_NUMBER "AB19" at 317.22,234.75 h0.8; PIN_NUMBER "Y22" at 320.54,236.75 h0.8; PIN_NUMBER "Y21" at 319.54,236.75 h0.8; PIN_NUMBER "Y18" at 316.54,236.75 h0.8; PIN_NUMBER "W22" at 320.54,237.75 h0.8; PIN_NUMBER "W20" at 318.54,237.75 h0.8; PIN_NUMBER "P18" at 316.54,242.75 h0.8; PIN_NUMBER "R20" at 318.54,241.75 h0.8; PIN_NUMBER "P22" at 320.54,242.75 h0.8; PIN_NUMBER "P21" at 319.54,242.75 h0.8; PIN_NUMBER "P20" at 318.54,242.75 h0.8; PIN_NUMBER "N22" at 320.54,243.75 h0.8; PIN_NUMBER "N20" at 318.54,243.75 h0.8; PIN_NUMBER "N19" at 317.54,243.75 h0.8; PIN_NUMBER "M19" at 317.54,244.75 h0.8; PIN_NUMBER "M18" at 316.54,244.75 h0.8; PIN_NUMBER "U22" at 320.54,239.75 h0.8; PIN_NUMBER "U20" at 318.54,239.75 h0.8; PIN_NUMBER "T22" at 320.54,240.75 h0.8; PIN_NUMBER "T21" at 319.54,240.75 h0.8; PIN_NUMBER "T20" at 318.54,240.75 h0.8; PIN_NUMBER "R22" at 320.54,241.75 h0.8; PIN_NUMBER "M17" at 315.54,244.75 h0.8; PIN_NUMBER "W15" at 313.54,237.75 h0.8; PIN_NUMBER "W14" at 312.54,237.75 h0.8; PIN_NUMBER "V15" at 313.54,238.75 h0.8; PIN_NUMBER "U15" at 313.54,239.75 h0.8; PIN_NUMBER "U14" at 312.54,239.75 h0.8; PIN_NUMBER "T15" at 313.54,240.75 h0.8; PIN_NUMBER "T14" at 312.54,240.75 h0.8; PIN_NUMBER "R15" at 313.54,241.75 h0.8; PIN_NUMBER "N15" at 313.54,243.75 h0.8; PIN_NUMBER "AB16" at 314.22,234.75 h0.8; PIN_NUMBER "AB15" at 313.22,234.75 h0.8; PIN_NUMBER "AB14" at 312.22,234.75 h0.8; PIN_NUMBER "AA14" at 312.22,235.75 h0.8; PIN_NUMBER "Y15" at 313.54,236.75 h0.8; PIN_NUMBER "Y14" at 312.54,236.75 h0.8; PIN_NUMBER "L15" at 313.54,245.75 h0.8; PIN_NUMBER "W17" at 315.54,237.75 h0.8; PIN_NUMBER "V17" at 315.54,238.75 h0.8; PIN_NUMBER "U16" at 314.54,239.75 h0.8; PIN_NUMBER "T17" at 315.54,240.75 h0.8; PIN_NUMBER "R17" at 315.54,241.75 h0.8; PIN_NUMBER "R16" at 314.54,241.75 h0.8; PIN_NUMBER "P17" at 315.54,242.75 h0.8; PIN_NUMBER "P16" at 314.54,242.75 h0.8; PIN_NUMBER "N16" at 314.54,243.75 h0.8; PIN_NUMBER "AB18" at 316.22,234.75 h0.8; PIN_NUMBER "AB17" at 315.22,234.75 h0.8; PIN_NUMBER "AA18" at 316.22,235.75 h0.8; PIN_NUMBER "AA16" at 314.22,235.75 h0.8; PIN_NUMBER "Y17" at 315.54,236.75 h0.8; PIN_NUMBER "Y16" at 314.54,236.75 h0.8; PIN_NUMBER "M16" at 314.54,244.75 h0.8; PIN_NUMBER "W19" at 317.54,237.75 h0.8; PIN_NUMBER "R18" at 316.54,241.75 h0.8; PIN_NUMBER "P14" at 312.54,242.75 h0.8; PIN_NUMBER "M12" at 310.54,244.75 h0.8; PIN_NUMBER "M14" at 312.54,244.75 h0.8; PIN_NUMBER "L13" at 311.54,245.75 h0.8; PIN_NUMBER "L18" at 316.54,245.75 h0.8; PIN_NUMBER "K14" at 312.54,246.75 h0.8; PIN_NUMBER "J15" at 313.54,247.75 h0.8; PIN_NUMBER "G18" at 316.54,249.75 h0.8; PIN_NUMBER "C6" at 304.86,253.75 h0.8; PIN_NUMBER "D6" at 304.86,252.75 h0.8; PIN_NUMBER "E7" at 305.86,251.75 h0.8; PIN_NUMBER "C8" at 306.86,253.75 h0.8; PIN_NUMBER "J9" at 307.86,247.75 h0.8; PIN_NUMBER "D10" at 308.54,252.75 h0.8; PIN_NUMBER "K10" at 308.54,246.75 h0.8; PIN_NUMBER "E11" at 309.54,251.75 h0.8; PIN_NUMBER "J11" at 309.54,247.75 h0.8; PIN_NUMBER "L11" at 309.54,245.75 h0.8; PIN_NUMBER "C12" at 310.54,253.75 h0.8; PIN_NUMBER "K12" at 310.54,246.75 h0.8; PIN_NUMBER "F13" at 311.54,250.75 h0.8; PIN_NUMBER "J13" at 311.54,247.75 h0.8; PIN_NUMBER "C14" at 312.54,253.75 h0.8; PIN_NUMBER "E14" at 312.54,251.75 h0.8; PIN_NUMBER "E15" at 313.54,251.75 h0.8; PIN_NUMBER "C16" at 314.54,253.75 h0.8; PIN_NUMBER "D16" at 314.54,252.75 h0.8; PIN_NUMBER "V4" at 302.86,238.75 h0.8; PIN_NUMBER "R5" at 303.86,241.75 h0.8; PIN_NUMBER "M10" at 308.54,244.75 h0.8; PIN_NUMBER "L5" at 303.86,245.75 h0.8; PIN_NUMBER "L9" at 307.86,245.75 h0.8; PIN_NUMBER "H7" at 305.86,248.75 h0.8; PIN_NUMBER "G5" at 303.86,249.75 h0.8; PIN_NUMBER "U7" at 305.86,239.75 h0.8; PIN_NUMBER "W7" at 305.86,237.75 h0.8; PIN_NUMBER "P10" at 308.54,242.75 h0.8; PIN_NUMBER "V10" at 308.54,238.75 h0.8; PIN_NUMBER "P12" at 310.54,242.75 h0.8; PIN_NUMBER "V14" at 312.54,238.75 h0.8; PIN_NUMBER "W16" at 314.54,237.75 h0.8; PIN_NUMBER "A17" at 315.54,255.75 h0.8; PIN_NUMBER "B17" at 315.54,254.75 h0.8; PIN_NUMBER "A9" at 307.86,255.75 h0.8; PIN_NUMBER "A13" at 311.54,255.75 h0.8; PIN_NUMBER "B5" at 303.86,254.75 h0.8; PIN_NUMBER "B7" at 305.86,254.75 h0.8; PIN_NUMBER "B15" at 313.54,254.75 h0.8; PIN_NUMBER "B11" at 309.54,254.75 h0.8; PIN_NUMBER "AB1" at 299.54,234.75 h0.8; PIN_NUMBER "U2" at 300.86,239.75 h0.8; PIN_NUMBER "E2" at 300.86,251.75 h0.8; PIN_NUMBER "U21" at 319.54,239.75 h0.8; PIN_NUMBER "E21" at 319.54,251.75 h0.8; PIN_NUMBER "A22" at 320.54,255.75 h0.8; PIN_NUMBER "AB22" at 320.22,234.75 h0.8; PIN_NUMBER "A1" at 299.86,255.75 h0.8; PIN_NUMBER "J2" at 300.86,247.75 h0.8; PIN_NUMBER "AA5" at 303.54,235.75 h0.8; PIN_NUMBER "AA17" at 315.22,235.75 h0.8; PIN_NUMBER "J21" at 319.54,247.75 h0.8; PIN_NUMBER "A11" at 309.54,255.75 h0.8; PIN_NUMBER "N2" at 300.86,243.75 h0.8; PIN_NUMBER "AA13" at 311.22,235.75 h0.8; PIN_NUMBER "AA9" at 307.54,235.75 h0.8; PIN_NUMBER "AA22" at 320.22,235.75 h0.8; PIN_NUMBER "N21" at 319.54,243.75 h0.8; PIN_NUMBER "N13" at 311.54,243.75 h0.8; PIN_NUMBER "N17" at 315.54,243.75 h0.8; PIN_NUMBER "N9" at 307.86,243.75 h0.8; PIN_NUMBER "N11" at 309.54,243.75 h0.8